# Altium PCB graviton.PcbDoc (part 10 of 15)
Units mm, origin at the board's own origin, x right, y up, seen from the top; angles counter-clockwise.
Board outline 200 x 200 mm, 10 copper layers (TOP, POLYGON1, S1, POLYGON2, POLYGON3, POLYGON4, POLYGON5, S2, POLYGON6, BOT), stack 1.751 mm thick; 1317 components, 712 nets, 5121 pads, 3994 vias.
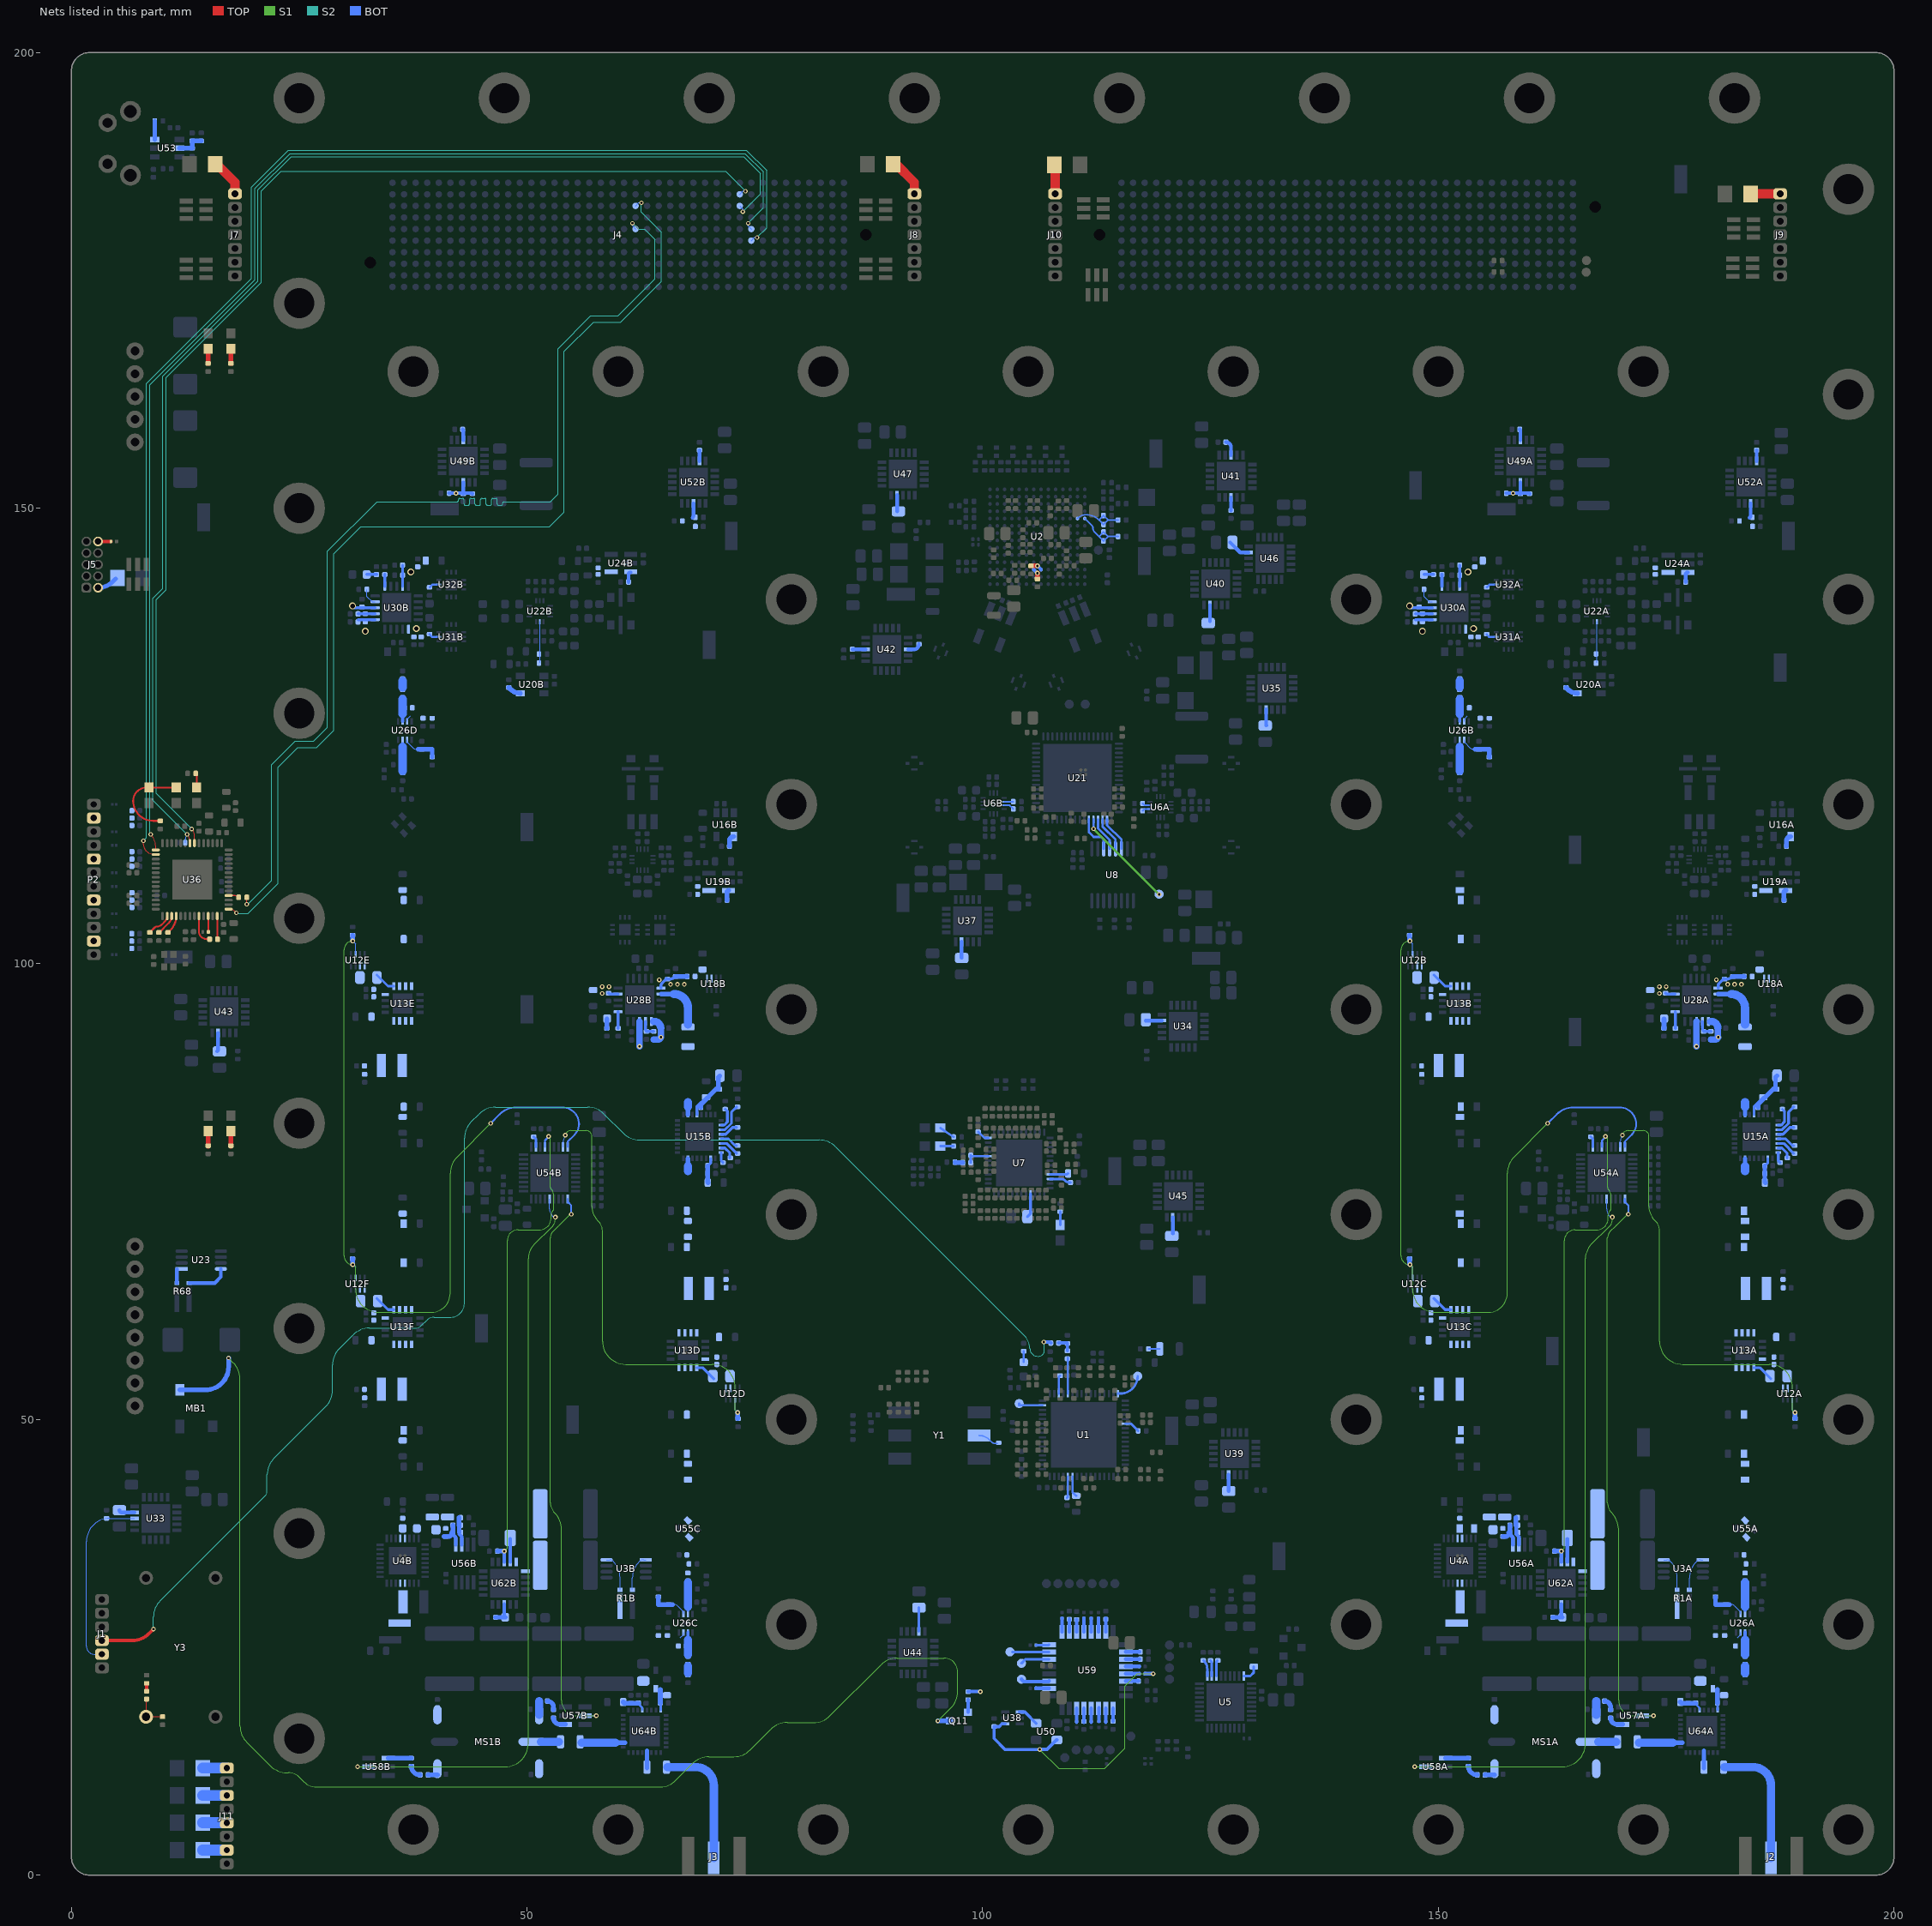
[diagram p18: the nets of this part, all layers, seen from the top]

## Via types
v1: diameter 0.75, hole 0.5, TOP to BOT, tented both sides, 2608 vias
v2: diameter 0.508, hole 0.254, TOP to BOT, tented both sides, 628 vias
v3: diameter 0.483, hole 0.254, TOP to BOT, tented both sides, 455 vias
v4: diameter 0.5, hole 0.3, TOP to BOT, tented both sides, 169 vias
v5: diameter 0.635, hole 0.254, TOP to BOT, tented both sides, 86 vias
v6: diameter 0.5, hole 0.254, TOP to BOT, tented both sides, 48 vias

## Nets (pads, with @x,y where several pads share a name; then routed paths per layer and width w, separated by ;. In a path a pad name is that pad's centre, name@x,y a point inside that pad or via, vN(x,y) a via of type N, cw(c..) or ccw(c..) an arc to the next point about the centre after c; other vN are vias at no path point) (continued)
NetC30A_1: C30A.1 R13A.2 R188A.1 U56A.1 | length 3
  BOT w0.4: R188A.1@157.655,37.585 158.175,37.065 U56A.1@158.175,36.275
  BOT w0.51: R13A.2@157.075,37.16 157.336,37.16 ccw(c157.336,37.604) 157.65,37.29 ; R188A.1@157.855,37.585 R188A.1@157.855,37.6 C30A.1@157.855,38.4
NetC30A_2: C30A.2 R188A.2 R189A.1 U56A.2 | length 3.1
  BOT w0.4: R188A.2@158.545,37.6 158.545,37.43 158.825,37.15 U56A.2@158.825,36.275
  BOT w0.45: C30A.2@158.515,38.4 cw(c158.443,38.328) 158.545,38.328 R188A.2@158.545,37.6
  BOT w0.51: C30A.2@158.515,38.4 R189A.1@158.515,39.225
NetC30B_1: C30B.1 R13B.2 R188B.1 U56B.1 | length 3.1
  BOT w0.4: R188B.1@41.655,37.585 42.175,37.065 U56B.1@42.175,36.275
  BOT w0.51: R13B.2@40.875,37.16 41.336,37.16 ccw(c41.336,37.604) 41.65,37.29 ; R188B.1@41.855,37.6 C30B.1@41.855,38.4
NetC30B_2: C30B.2 R188B.2 R189B.1 U56B.2 | length 3.1
  BOT w0.4: R188B.2@42.545,37.6 42.545,37.43 42.825,37.15 U56B.2@42.825,36.275
  BOT w0.45: C30B.2@42.515,38.4 cw(c42.443,38.328) 42.545,38.328 R188B.2@42.545,37.6
  BOT w0.51: C30B.2@42.515,38.4 R189B.1@42.515,39.225
NetC31A_2: C31A.2 C114A.2 C191A.2 R13A.1 R28A.1
NetC31B_2: C31B.2 C114B.2 C191B.2 R13B.1 R28B.1
NetC36_2: C36.2 U5.36 | length 1.9
  BOT w0.28: U5.36@128.64,21.86 129.36,21.86 129.75,22.25 C36.2@129.75,22.875
NetC46_1: C46.1 U1.35 | length 2
  BOT w0.25: U1.35@108.35,52.85 108.35,54.67 C46.1@108.5,54.82
NetC79_2: C79.2 U1.11 | length 2.3
  BOT w0.25: U1.11@109.85,43.75 109.85,42.025 C79.2@110.25,41.625
NetC80_2: C80.2 U1.12 | length 2.4
  BOT w0.25: C80.2@109.25,41.43 109.35,41.53 U1.12@109.35,43.75
NetC82_1: C82.1 R17.1 | length 1.2
  BOT w0.21: R17.1@104.5,56.28 C82.1@104.5,57.5
NetC85_1: C85.1 R16.1 | length 1.2
  BOT w0.17: R16.1@118.195,57.75 C85.1@119.425,57.75
NetC98A_1: C98A.1 U16A.4 | length 1.3
  BOT w0.51: C98A.1@188.205,112.9 188.205,113.505 cw(c188.675,113.505) U16A.4@188.675,113.975
NetC98B_1: C98B.1 U16B.4 | length 1.3
  BOT w0.51: C98B.1@72.205,112.9 72.205,113.505 cw(c72.675,113.505) U16B.4@72.675,113.975
NetC102_2: C102.2 U2.G12 | length 1.2
  TOP w0.51: C102.2@106,142.23 v2(106,142.87)
  BOT w0.4: U2.G12@105.6,143.27 v2(106,142.87)
NetC109A_1: C109A.1 U19A.3 | length 1.2
  BOT w0.51: C109A.1@187.93,107 187.93,107.83 cw(c188.15,107.83) U19A.3@188.15,108.05
NetC109B_1: C109B.1 U19B.3 | length 1.2
  BOT w0.51: C109B.1@71.93,107 71.93,107.83 cw(c72.15,107.83) U19B.3@72.15,108.05
NetC120_1: C120.1 R57.1 | length 0.9
  BOT w0.51: R57.1@96.945,78.25 ccw(c96.995,78.25) 96.995,78.2 C120.1@97.82,78.2
NetC120_2: C120.2 C121.2 U7.32 | length 2.8
  BOT w0.25: C120.2@98.68,78.2 C121.2@98.68,79 ccw(c98.784,79) C121.2@98.784,78.896
  BOT w0.27: C121.2@98.784,78.896 U7.32@100.615,78.896
NetC122_2: C122.2 U7.16 | length 2.7
  BOT w0.3: C122.2@104.9,72.25 105.25,72.6 U7.16@105.25,74.761
NetC123_2: C123.2 U7.9 | length 2
  BOT w0.27: U7.9@107.385,76.896 109.124,76.896 ccw(c109.124,77.251) C123.2@109.375,77
NetC124_2: C124.2 U7.10 | length 2.4
  BOT w0.27: U7.10@107.385,76.396 108.648,76.396 cw(c108.648,75.898) 109,76.25 ccw(c109.604,76.854) 109.604,76 C124.2@109.64,76
NetC125_2: C125.2 U7.36 | length 1.4
  BOT w0.27: C125.2@99.5,81.57 100.174,80.896 U7.36@100.615,80.896
NetC206A_2: C206A.2 L30A.1 U18A.5 U18A.6
NetC206B_2: C206B.2 L30B.1 U18B.5 U18B.6
NetC208A_1: C208A.1 R45A.2 | length 1
  BOT w0.54: C208A.1@174.75,92.93 R45A.2@174.75,93.928
NetC208B_1: C208B.1 R45B.2 | length 1
  BOT w0.54: C208B.1@58.75,92.93 R45B.2@58.75,93.928
NetC209A_1: C209A.1 R46A.2 | length 1
  BOT w0.356: R46A.2@148.435,142.75 C209A.1@149.475,142.75
NetC209B_1: C209B.1 R46B.2 | length 1
  BOT w0.356: R46B.2@32.435,142.75 C209B.1@33.475,142.75
NetC210A_2: C210A.2 C211A.2 C253A.2 C254A.2 C255A.2 L13A.2 R65A.2 U12A.5 U12A.6 U13A.16
NetC210B_2: C210B.2 C211B.2 C253B.2 C254B.2 C255B.2 L13B.2 R65B.2 U12B.5 U12B.6 U13B.16
NetC210C_2: C210C.2 C211C.2 C253C.2 C254C.2 C255C.2 L13C.2 R65C.2 U12C.5 U12C.6 U13C.16
NetC210D_2: C210D.2 C211D.2 C253D.2 C254D.2 C255D.2 L13D.2 R65D.2 U12D.5 U12D.6 U13D.16
NetC210E_2: C210E.2 C211E.2 C253E.2 C254E.2 C255E.2 L13E.2 R65E.2 U12E.5 U12E.6 U13E.16
NetC210F_2: C210F.2 C211F.2 C253F.2 C254F.2 C255F.2 L13F.2 R65F.2 U12F.5 U12F.6 U13F.16
NetC256A_2: C256A.2 C259A.2 C260A.2 U13A.2 U13A.3 U13A.4
NetC256B_2: C256B.2 C259B.2 C260B.2 U13B.2 U13B.3 U13B.4
NetC256C_2: C256C.2 C259C.2 C260C.2 U13C.2 U13C.3 U13C.4
NetC256D_2: C256D.2 C259D.2 C260D.2 U13D.2 U13D.3 U13D.4
NetC256E_2: C256E.2 C259E.2 C260E.2 U13E.2 U13E.3 U13E.4
NetC256F_2: C256F.2 C259F.2 C260F.2 U13F.2 U13F.3 U13F.4
NetC257A_1: C257A.1 C258A.2 L13A.1 U13A.9 U13A.10 U13A.11 U13A.12
NetC257B_1: C257B.1 C258B.2 L13B.1 U13B.9 U13B.10 U13B.11 U13B.12
NetC257C_1: C257C.1 C258C.2 L13C.1 U13C.9 U13C.10 U13C.11 U13C.12
NetC257D_1: C257D.1 C258D.2 L13D.1 U13D.9 U13D.10 U13D.11 U13D.12
NetC257E_1: C257E.1 C258E.2 L13E.1 U13E.9 U13E.10 U13E.11 U13E.12
NetC257F_1: C257F.1 C258F.2 L13F.1 U13F.9 U13F.10 U13F.11 U13F.12
NetC293A_2: C293A.2 C294A.2 L20A.2 U15A.2 | length 2.8
  BOT w0.3: C293A.2@185.82,77.82 186.15,78.15 U15A.2@186.15,78.65
  BOT w0.51: C293A.2@185.82,77.82 L20A.2@185.82,77 185.82,76.055 C294A.2@185.875,76
NetC293B_2: C293B.2 C294B.2 L20B.2 U15B.2 | length 2.8
  BOT w0.3: C293B.2@69.82,77.82 70.15,78.15 U15B.2@70.15,78.65
  BOT w0.51: C293B.2@69.82,77.82 69.82,76.055 C294B.2@69.875,76
NetC295A_2: C295A.2 C296A.2 D7A.2 R67A.1 U15A.20 | length 6.8
  BOT w0.3: U15A.20@184.65,83.45 184.65,84.369 C296A.2@185.65,85.369
  BOT w0.5: D7A.2@187,86.25 187,87.565 R67A.1@187.16,87.725
  BOT w0.51: C295A.2@185.07,84.25 185.07,84.57 186.75,86.25 D7A.2@187,86.25
NetC295B_2: C295B.2 C296B.2 D7B.2 R67B.1 U15B.20 | length 6.8
  BOT w0.3: U15B.20@68.65,83.45 68.65,84.369 C296B.2@69.65,85.369
  BOT w0.5: D7B.2@71,86.25 71,87.565 R67B.1@71.16,87.725
  BOT w0.51: C295B.2@69.07,84.25 69.07,84.57 70.75,86.25 D7B.2@71,86.25
NetC320A_1: C320A.1 U20A.4 | length 1.4
  BOT w0.54: C320A.1@164,130.32 164.183,130.137 ccw(c165.25,131.204) U20A.4@165.25,129.695
NetC320B_1: C320B.1 U20B.4 | length 1.4
  BOT w0.54: C320B.1@48,130.32 48.183,130.137 ccw(c49.25,131.204) U20B.4@49.25,129.695
NetC328A_1: C328A.1 U24A.3 | length 1.2
  BOT w0.4: C328A.1@177.13,141.9 177.13,142.705 cw(c177.375,142.705) U24A.3@177.375,142.95
NetC328B_1: C328B.1 U24B.3 | length 1.2
  BOT w0.4: C328B.1@61.13,141.9 61.13,142.705 cw(c61.375,142.705) U24B.3@61.375,142.95
NetC350A_1: C350A.1 L28A.2 | length 0.8
  BOT w0.914: L28A.2@183.66,22.175 C350A.1@183.66,22.925
NetC350A_2: C350A.2 L29A.1 U26A.2 | length 2.4
  BOT w0.356: 183.66,25.825 U26A.2@183.66,26.645
  BOT w0.914: C350A.2@183.66,24.2 183.66,25.825
NetC350B_1: C350B.1 L28B.2 | length 0.8
  BOT w0.914: C350B.1@152.34,130.325 L28B.2@152.34,131.075
NetC350B_2: C350B.2 L29B.1 U26B.2 | length 2.4
  BOT w0.356: U26B.2@152.34,126.605 152.34,127.425
  BOT w0.914: 152.34,127.425 C350B.2@152.34,129.05
NetC350C_1: C350C.1 L28C.2 | length 0.8
  BOT w0.914: L28C.2@67.66,22.175 C350C.1@67.66,22.925
NetC350C_2: C350C.2 L29C.1 U26C.2 | length 2.4
  BOT w0.356: 67.66,25.825 U26C.2@67.66,26.645
  BOT w0.914: C350C.2@67.66,24.2 67.66,25.825
NetC350D_1: C350D.1 L28D.2 | length 0.8
  BOT w0.914: C350D.1@36.34,130.325 L28D.2@36.34,131.075
NetC350D_2: C350D.2 L29D.1 U26D.2 | length 2.4
  BOT w0.356: U26D.2@36.34,126.605 36.34,127.425
  BOT w0.914: 36.34,127.425 C350D.2@36.34,129.05
NetC351A_1: C351A.1 L27A.1 R124A.1 U26A.7 | length 3.4
  BOT w0.356: 183.66,29.1 L27A.1@183.66,29.8
  BOT w0.914: 183.65,29.448 C351A.1@183.65,32.1
NetC351B_1: C351B.1 L27B.1 R124B.1 U26B.7 | length 3.4
  BOT w0.356: L27B.1@152.34,123.45 152.34,124.15
  BOT w0.914: C351B.1@152.35,121.15 152.35,123.802
NetC351C_1: C351C.1 L27C.1 R124C.1 U26C.7 | length 3.4
  BOT w0.356: 67.66,29.1 L27C.1@67.66,29.8
  BOT w0.914: 67.65,29.448 C351C.1@67.65,32.1
NetC351D_1: C351D.1 L27D.1 R124D.1 U26D.7 | length 3.4
  BOT w0.356: L27D.1@36.34,123.45 36.34,124.15
  BOT w0.914: C351D.1@36.35,121.15 36.35,123.802
NetC353A_1: C353A.1 L29A.2 R125A.2 U26A.3 | length 0.7
  BOT w0.1: 182.81,26.05 183.16,26.4 U26A.3@183.16,26.645
NetC353B_1: C353B.1 L29B.2 R125B.2 U26B.3 | length 0.7
  BOT w0.1: U26B.3@152.84,126.605 152.84,126.85 153.19,127.2
NetC353C_1: C353C.1 L29C.2 R125C.2 U26C.3 | length 0.7
  BOT w0.1: 66.81,26.05 67.16,26.4 U26C.3@67.16,26.645
NetC353D_1: C353D.1 L29D.2 R125D.2 U26D.3 | length 0.7
  BOT w0.1: U26D.3@36.84,126.605 36.84,126.85 37.19,127.2
NetC354A_1: C354A.1 R127A.2 U26A.6 | length 3.8
  BOT w0.1: 182.146,29.695 cw(c182.146,29.166) 182.52,29.54 183.16,28.9 U26A.6@183.16,28.655
  BOT w0.51: 180.41,29.695 R127A.2@180.41,30.555 ; 180.55,29.695 C354A.1@181.55,29.695 181.95,29.695
NetC354B_1: C354B.1 R127B.2 U26B.6 | length 3.8
  BOT w0.1: U26B.6@152.84,124.595 152.84,124.35 153.48,123.71 ccw(c153.854,124.084) 153.854,123.555
  BOT w0.51: 154.05,123.555 C354B.1@154.45,123.555 155.45,123.555 ; R127B.2@155.59,122.695 155.59,123.555
NetC354C_1: C354C.1 R127C.2 U26C.6 | length 3.8
  BOT w0.1: 66.146,29.695 cw(c66.146,29.166) 66.52,29.54 67.16,28.9 U26C.6@67.16,28.655
  BOT w0.51: 64.41,29.695 R127C.2@64.41,30.555 ; 64.55,29.695 65.95,29.695
NetC354D_1: C354D.1 R127D.2 U26D.6 | length 3.8
  BOT w0.1: U26D.6@36.84,124.595 36.84,124.35 37.48,123.71 ccw(c37.854,124.084) 37.854,123.555
  BOT w0.51: 38.05,123.555 39.45,123.555 ; R127D.2@39.59,122.695 39.59,123.555
NetC355A_2: C355A.2 C358A.2 C359A.2 C360A.2 C361A.2 C362A.2 C363A.2 L30A.2 R130A.2 U28A.1 U28A.6 U28A.8 U28A.14 | length 10.7
  BOT w0.32: C362A.2@174.94,96.78 ccw(c175.157,96.997) 175.157,96.69 U28A.14@175.98,96.69 ; U28A.1@180.7,97.34 180.7,97.609 cw(c181.041,97.609) 180.8,97.85 181.178,98.228 cw(c181.4,98.006) C361A.2@181.4,98.32 ; C361A.2@181.302,98.418 C361A.2@181.4,98.32 ; C360A.2@182.3,98.62 cw(c181.576,99.344) 181.576,98.32 C361A.2@181.4,98.32
  BOT w0.54: C360A.2@182.3,98.62 L30A.2@183.57,98.62
  BOT w0.7: v2(178.33,90.95) C358A.2@178.33,91.65 C359A.2@178.33,92.55 178.33,93.68 U28A.8@178.34,93.68 ; R130A.2@179.9,91.705 180.395,91.705 ccw(c180.395,91.98) v2@180.67,91.98 ; C363A.2@180.67,92.95 v2@180.67,91.98 ; v2(180.7,91.95) cw(c180.7,91.98) v2@180.67,91.98
  BOT w0.8: 179.876,93.677 cw(c179.94,92.95) C363A.2@180.67,92.95
  other v2: 174.25,96.75 174.25,97.5 175,97.5 181.75,97.75 182.5,97.75 183.25,97.75 180.5,98.25
NetC355B_2: C355B.2 C358B.2 C359B.2 C360B.2 C361B.2 C362B.2 C363B.2 L30B.2 R130B.2 U28B.1 U28B.6 U28B.8 U28B.14 | length 10.7
  BOT w0.32: C362B.2@58.94,96.78 ccw(c59.157,96.997) 59.157,96.69 U28B.14@59.98,96.69 ; U28B.1@64.7,97.34 64.7,97.609 cw(c65.041,97.609) 64.8,97.85 65.178,98.228 cw(c65.4,98.006) C361B.2@65.4,98.32 ; C361B.2@65.302,98.418 C361B.2@65.4,98.32 ; C360B.2@66.3,98.62 cw(c65.576,99.344) 65.576,98.32 C361B.2@65.4,98.32
  BOT w0.54: C360B.2@66.3,98.62 L30B.2@67.57,98.62
  BOT w0.7: v2(62.33,90.95) 62.33,93.68 U28B.8@62.34,93.68 ; R130B.2@63.9,91.705 64.395,91.705 ccw(c64.395,91.98) v2@64.67,91.98 ; C363B.2@64.67,92.95 v2@64.67,91.98 ; v2(64.7,91.95) cw(c64.7,91.98) v2@64.67,91.98
  BOT w0.8: 63.876,93.677 cw(c63.94,92.95) C363B.2@64.67,92.95
  other v2: 58.25,96.75 58.25,97.5 59,97.5 65.75,97.75 66.5,97.75 67.25,97.75 64.5,98.25
NetC364A_1: C364A.1 U28A.11 | length 1.8
  BOT w0.32: U28A.11@175.98,94.74 cw(c175.932,94.692) 176,94.692 C364A.1@176,92.92
NetC364B_1: C364B.1 U28B.11 | length 1.8
  BOT w0.32: U28B.11@59.98,94.74 cw(c59.932,94.692) 60,94.692 C364B.1@60,92.92
NetC365A_1: C365A.1 R130A.1 U28A.7 | length 1.9
  BOT w0.32: U28A.7@178.99,93.68 178.99,92.948 ccw(c179.489,92.948) C365A.1@179.136,92.595 ; C365A.1@179.1,92.58 cw(c179.136,92.544) C365A.1@179.136,92.595 ; R130A.1@179.9,92.595 C365A.1@179.136,92.595
NetC365B_1: C365B.1 R130B.1 U28B.7 | length 1.9
  BOT w0.32: U28B.7@62.99,93.68 62.99,92.948 ccw(c63.489,92.948) C365B.1@63.136,92.595 ; C365B.1@63.1,92.58 cw(c63.136,92.544) C365B.1@63.136,92.595 ; R130B.1@63.9,92.595 C365B.1@63.136,92.595
NetC366A_1: C366A.1 U28A.2 | length 5.6
  BOT w0.49: U28A.2@180.7,96.69 182.125,96.69
  BOT w0.914: 182.125,96.69 cw(c182.125,95.165) 183.65,95.165 C366A.1@183.65,93.35
NetC366B_1: C366B.1 U28B.2 | length 5.6
  BOT w0.49: U28B.2@64.7,96.69 66.125,96.69
  BOT w0.914: 66.125,96.69 cw(c66.125,95.165) 67.65,95.165 C366B.1@67.65,93.35
NetC368A_2: C368A.2 C369A.2 C370A.2 C371A.2 C372A.2 C373A.2 C374A.2 L31A.2 R133A.2 U30A.1 U30A.6 U30A.8 U30A.14 | length 6.7
  BOT w0.32: v1@146.89,139.22 147.035,139.075 U30A.8@149.33,139.075 ; C368A.2@147.475,137.775 U30A.6@149.33,137.775 ; U30A.14@152.34,141.435 C372A.2@152.34,142.65 C373A.2@152.34,143.75
  other v1: 148.25,136.5 153.85,136.8 146.85,139.275 153.25,143
NetC368B_2: C368B.2 C369B.2 C370B.2 C371B.2 C372B.2 C373B.2 C374B.2 L31B.2 R133B.2 U30B.1 U30B.6 U30B.8 U30B.14 | length 6.7
  BOT w0.32: v1@30.89,139.22 31.035,139.075 U30B.8@33.33,139.075 ; C368B.2@31.475,137.775 U30B.6@33.33,137.775 ; U30B.14@36.34,141.435 C372B.2@36.34,142.65 C373B.2@36.34,143.75
  other v1: 32.25,136.5 37.85,136.8 30.85,139.275 37.25,143
NetC375A_1: C375A.1 U30A.11 | length 1.3
  BOT w0.356: U30A.11@150.39,141.435 C375A.1@150.39,142.72
NetC375B_1: C375B.1 U30B.11 | length 1.3
  BOT w0.356: U30B.11@34.39,141.435 C375B.1@34.39,142.72
NetC376A_1: C376A.1 R133A.1 U30A.7 | length 1.9
  BOT w0.32: C376A.1@147.475,138.425 U30A.7@149.33,138.425
NetC376B_1: C376B.1 R133B.1 U30B.7 | length 1.9
  BOT w0.32: C376B.1@31.475,138.425 U30B.7@33.33,138.425
NetC383_1: C383.1 U33.14 | length 1.8
  BOT w0.4: C383.1@5.275,40.05 ccw(c5.525,40.05) 5.525,39.8 U33.14@6.925,39.8
NetC385_1: C385.1 R198.1 | length 0.9
  TOP w0.356: C385.1@8.25,20.18 R198.1@8.25,21.055
NetC385_2: C385.2 R200.2 Y3.8 | length 3.8
  TOP w0.1: Y3.8@8.214,17.39 R200.2@10,17.39 ; Y3.8@8.25,17.525 C385.2@8.25,19.32
  TOP w0.356: Y3.8@8.214,17.39 ccw(c8.214,17.356) Y3.8@8.19,17.38 ccw(c8.045,17.525) Y3.8@8.25,17.525
NetC386_1: C386.1 C387.2 R140.1 | length 1.8
  BOT w0.356: C386.1@108.33,58.4 109.255,58.4 R140.1@109.3,58.355 C387.2@109.3,57.53
NetC386_2: C386.2 J1.3 | length 157.9
  TOP w0.356: J1.3@3.35,25.75 6.698,25.75 ccw(c6.698,28.29) 8.494,26.494 v3(9,27)
  S2 w0.098: v3(9,27) 9,28.323 cw(c11.54,28.323) 9.744,30.119 21.281,41.656 ccw(c20.811,42.125) 21.475,42.125 21.475,43.948 cw(c24.015,43.948) 22.219,45.744 27.906,51.431 ccw(c26.11,53.227) 28.65,53.227 28.65,55.973 cw(c31.19,55.973) 29.394,57.769 30.906,59.281 cw(c32.702,57.485) 32.702,60.025 37.725,60.025 ccw(c37.725,60.991) 38.408,60.308 38.989,60.889 cw(c39.8,60.078) 39.8,61.225 41.625,61.225 ccw(c41.625,62.725) 43.125,62.725 43.125,80.873 cw(c45.665,80.873) 43.869,82.669 44.731,83.531 cw(c46.527,81.735) 46.527,84.275 56.648,84.275 cw(c56.648,81.735) 58.444,83.531 60.556,81.419 ccw(c62.352,83.215) 62.352,80.675 82.048,80.675 cw(c82.048,78.135) 83.844,79.931 104.609,59.166 cw(c103.244,57.8) 105.175,57.8 ccw(c106.025,57.8) 106.025,56.95 106.15,56.95 ccw(c106.15,57.561) 106.761,57.561 106.761,58.434 ccw(c105.976,57.776) v2(106.7,58.5)
  BOT w0.356: v2(106.7,58.5) 107.37,58.5 C386.2@107.47,58.4
NetC389_1: C389.1 U34.14 | length 1.8
  BOT w0.4: C389.1@117.885,93.761 cw(c117.919,93.727) 117.919,93.775 U34.14@119.675,93.775
NetC393_1: C393.1 U35.14 | length 1.8
  BOT w0.4: U35.14@131.107,127.941 131.107,126.185 ccw(c131.156,126.185) C393.1@131.122,126.151
NetC397_1: C397.1 U37.14 | length 1.8
  BOT w0.4: U37.14@97.682,102.441 97.682,100.685 ccw(c97.731,100.685) C397.1@97.697,100.651
NetC405_1: C405.1 U39.14 | length 1.8
  BOT w0.4: U39.14@126.986,43.94 126.986,42.184 ccw(c127.034,42.184) C405.1@127,42.15
NetC409_1: C409.1 U40.14 | length 1.8
  BOT w0.4: U40.14@124.932,139.391 124.932,137.635 ccw(c124.981,137.635) C409.1@124.947,137.601
NetC412_2: C412.2 U41.3 | length 1.8
  BOT w0.4: C412.2@126.68,157.25 cw(c126.68,156.68) 127.25,156.68 U41.3@127.25,155.825
NetC414_1: C414.1 U41.13 | length 1.4
  BOT w0.4: C414.1@127.25,149.75 U41.13@127.25,151.175
NetC416_2: C416.2 U42.3 | length 1.5
  BOT w0.4: U42.3@91.809,134.507 92.437,134.507 ccw(c92.437,135.07) C416.2@93,135.07
NetC418_1: C418.1 U42.13 | length 1.4
  BOT w0.4: C418.1@85.719,134.515 U42.13@87.144,134.515
NetC421_1: C421.1 U43.14 | length 2
  BOT w0.4: C421.1@16,90.4 ccw(c15.776,90.624) 16.093,90.624 U43.14@16.093,92.409
NetC425_1: C425.1 U44.14 | length 2.6
  BOT w0.3: U44.14@93,26.75 C425.1@93,29.35
NetC429_1: C429.1 U45.14 | length 1.8
  BOT w0.4: U45.14@120.857,72.191 120.857,70.435 ccw(c120.906,70.435) C429.1@120.872,70.401
NetC433_1: C433.1 U46.14 | length 2.5
  BOT w0.4: C433.1@127.15,146.25 128.25,145.15 U46.14@129.175,145.15
NetC437_1: C437.1 U47.14 | length 1.8
  BOT w0.4: U47.14@90.607,151.441 90.607,149.685 ccw(c90.656,149.685) C437.1@90.622,149.651
NetC454A_2: C454A.2 R152A.1 R153A.2 U49A.3 | length 3.8
  BOT w0.4: R153A.2@157.445,151.65 v2(158.2,151.65) C454A.2@159,151.65 ; C454A.2@159,151.58 C454A.2@159,151.65 ; U49A.3@159,152.825 C454A.2@159,151.65 ; R152A.1@160,151.595 ccw(c159.867,151.462) 159.867,151.65 C454A.2@159,151.65
NetC454B_2: C454B.2 R152B.1 R153B.2 U49B.3 | length 3.8
  BOT w0.4: R153B.2@41.445,151.65 v2(42.2,151.65) C454B.2@43,151.65 ; C454B.2@43,151.58 C454B.2@43,151.65 ; U49B.3@43,152.825 C454B.2@43,151.65 ; R152B.1@44,151.595 ccw(c43.867,151.462) 43.867,151.65 C454B.2@43,151.65
NetC456A_1: C456A.1 U49A.13 | length 1.2
  BOT w0.4: C456A.1@158.93,158.65 cw(c158.761,158.481) 159,158.481 U49A.13@159,157.475
NetC456B_1: C456B.1 U49B.13 | length 1.2
  BOT w0.4: C456B.1@42.93,158.65 cw(c42.761,158.481) 43,158.481 U49B.13@43,157.475
NetC463A_1: C463A.1 U52A.14 | length 1.2
  BOT w0.4: U52A.14@184.925,155.175 C463A.1@184.925,156.37
NetC463B_1: C463B.1 U52B.14 | length 1.2
  BOT w0.4: U52B.14@68.925,155.175 C463B.1@68.925,156.37
NetC464A_2: C464A.2 R169A.1 R170A.2 U52A.3 | length 1.6
  BOT w0.4: 184.148,148.959 ccw(c183.84,149.267) 184.275,149.267 U52A.3@184.275,150.525
NetC464B_2: C464B.2 R169B.1 R170B.2 U52B.3 | length 1.6
  BOT w0.4: 68.148,148.959 ccw(c67.84,149.267) 68.275,149.267 U52B.3@68.275,150.525
NetC469_1: C469.1 R172.1 R174.2 U53.5 | length 3.2
  BOT w0.51: U53.5@11.85,189.5 R172.1@13.25,189.5 C469.1@13.25,190.32 13.265,190.305 R174.2@14.25,190.305
NetC480A_1: C480A.1 R190A.1 | length 1.3
  BOT w0.51: C480A.1@168.23,19.1 cw(c168.23,18.43) 168.9,18.43 R190A.1@168.9,18.145
NetC480A_2: C480A.2 MS1A.5 R192A.2 | length 1.5
  BOT w0.914: MS1A.5@167.324,17.593 C480A.2@167.324,19.1
NetC480B_1: C480B.1 R190B.1 | length 1.3
  BOT w0.51: C480B.1@52.23,19.1 cw(c52.23,18.43) 52.9,18.43 R190B.1@52.9,18.145
NetC480B_2: C480B.2 MS1B.5 R192B.2 | length 1.5
  BOT w0.914: MS1B.5@51.324,17.593 C480B.2@51.324,19.1
NetC481A_1: C481A.1 MS1A.3 R193A.2 | length 1
  BOT w0.54: C481A.1@155.13,11 MS1A.3@156.155,11
NetC481A_2: C481A.2 R195A.2 | length 1.5
  BOT w0.51: R195A.2@153.3,11.955 ccw(c154.255,11.955) 154.255,11 C481A.2@154.27,11
NetC481B_1: C481B.1 MS1B.3 R193B.2 | length 1
  BOT w0.54: C481B.1@39.13,11 MS1B.3@40.155,11
NetC481B_2: C481B.2 R195B.2 | length 1.5
  BOT w0.51: R195B.2@37.3,11.955 ccw(c38.255,11.955) 38.255,11 C481B.2@38.27,11
NetC494A_2: C494A.2 C496A.2 R1A.2 U62A.15 U62A.16
NetC494B_2: C494B.2 C496B.2 R1B.2 U62B.15 U62B.16
NetC497A_2: C497A.2 U62A.14 | length 2.5
  BOT w0.4: U62A.14@164.15,34.375 C497A.2@164.15,36.9